# Altium PCB SPG300 Rev05.PcbDoc (part 1 of 8) (continued)
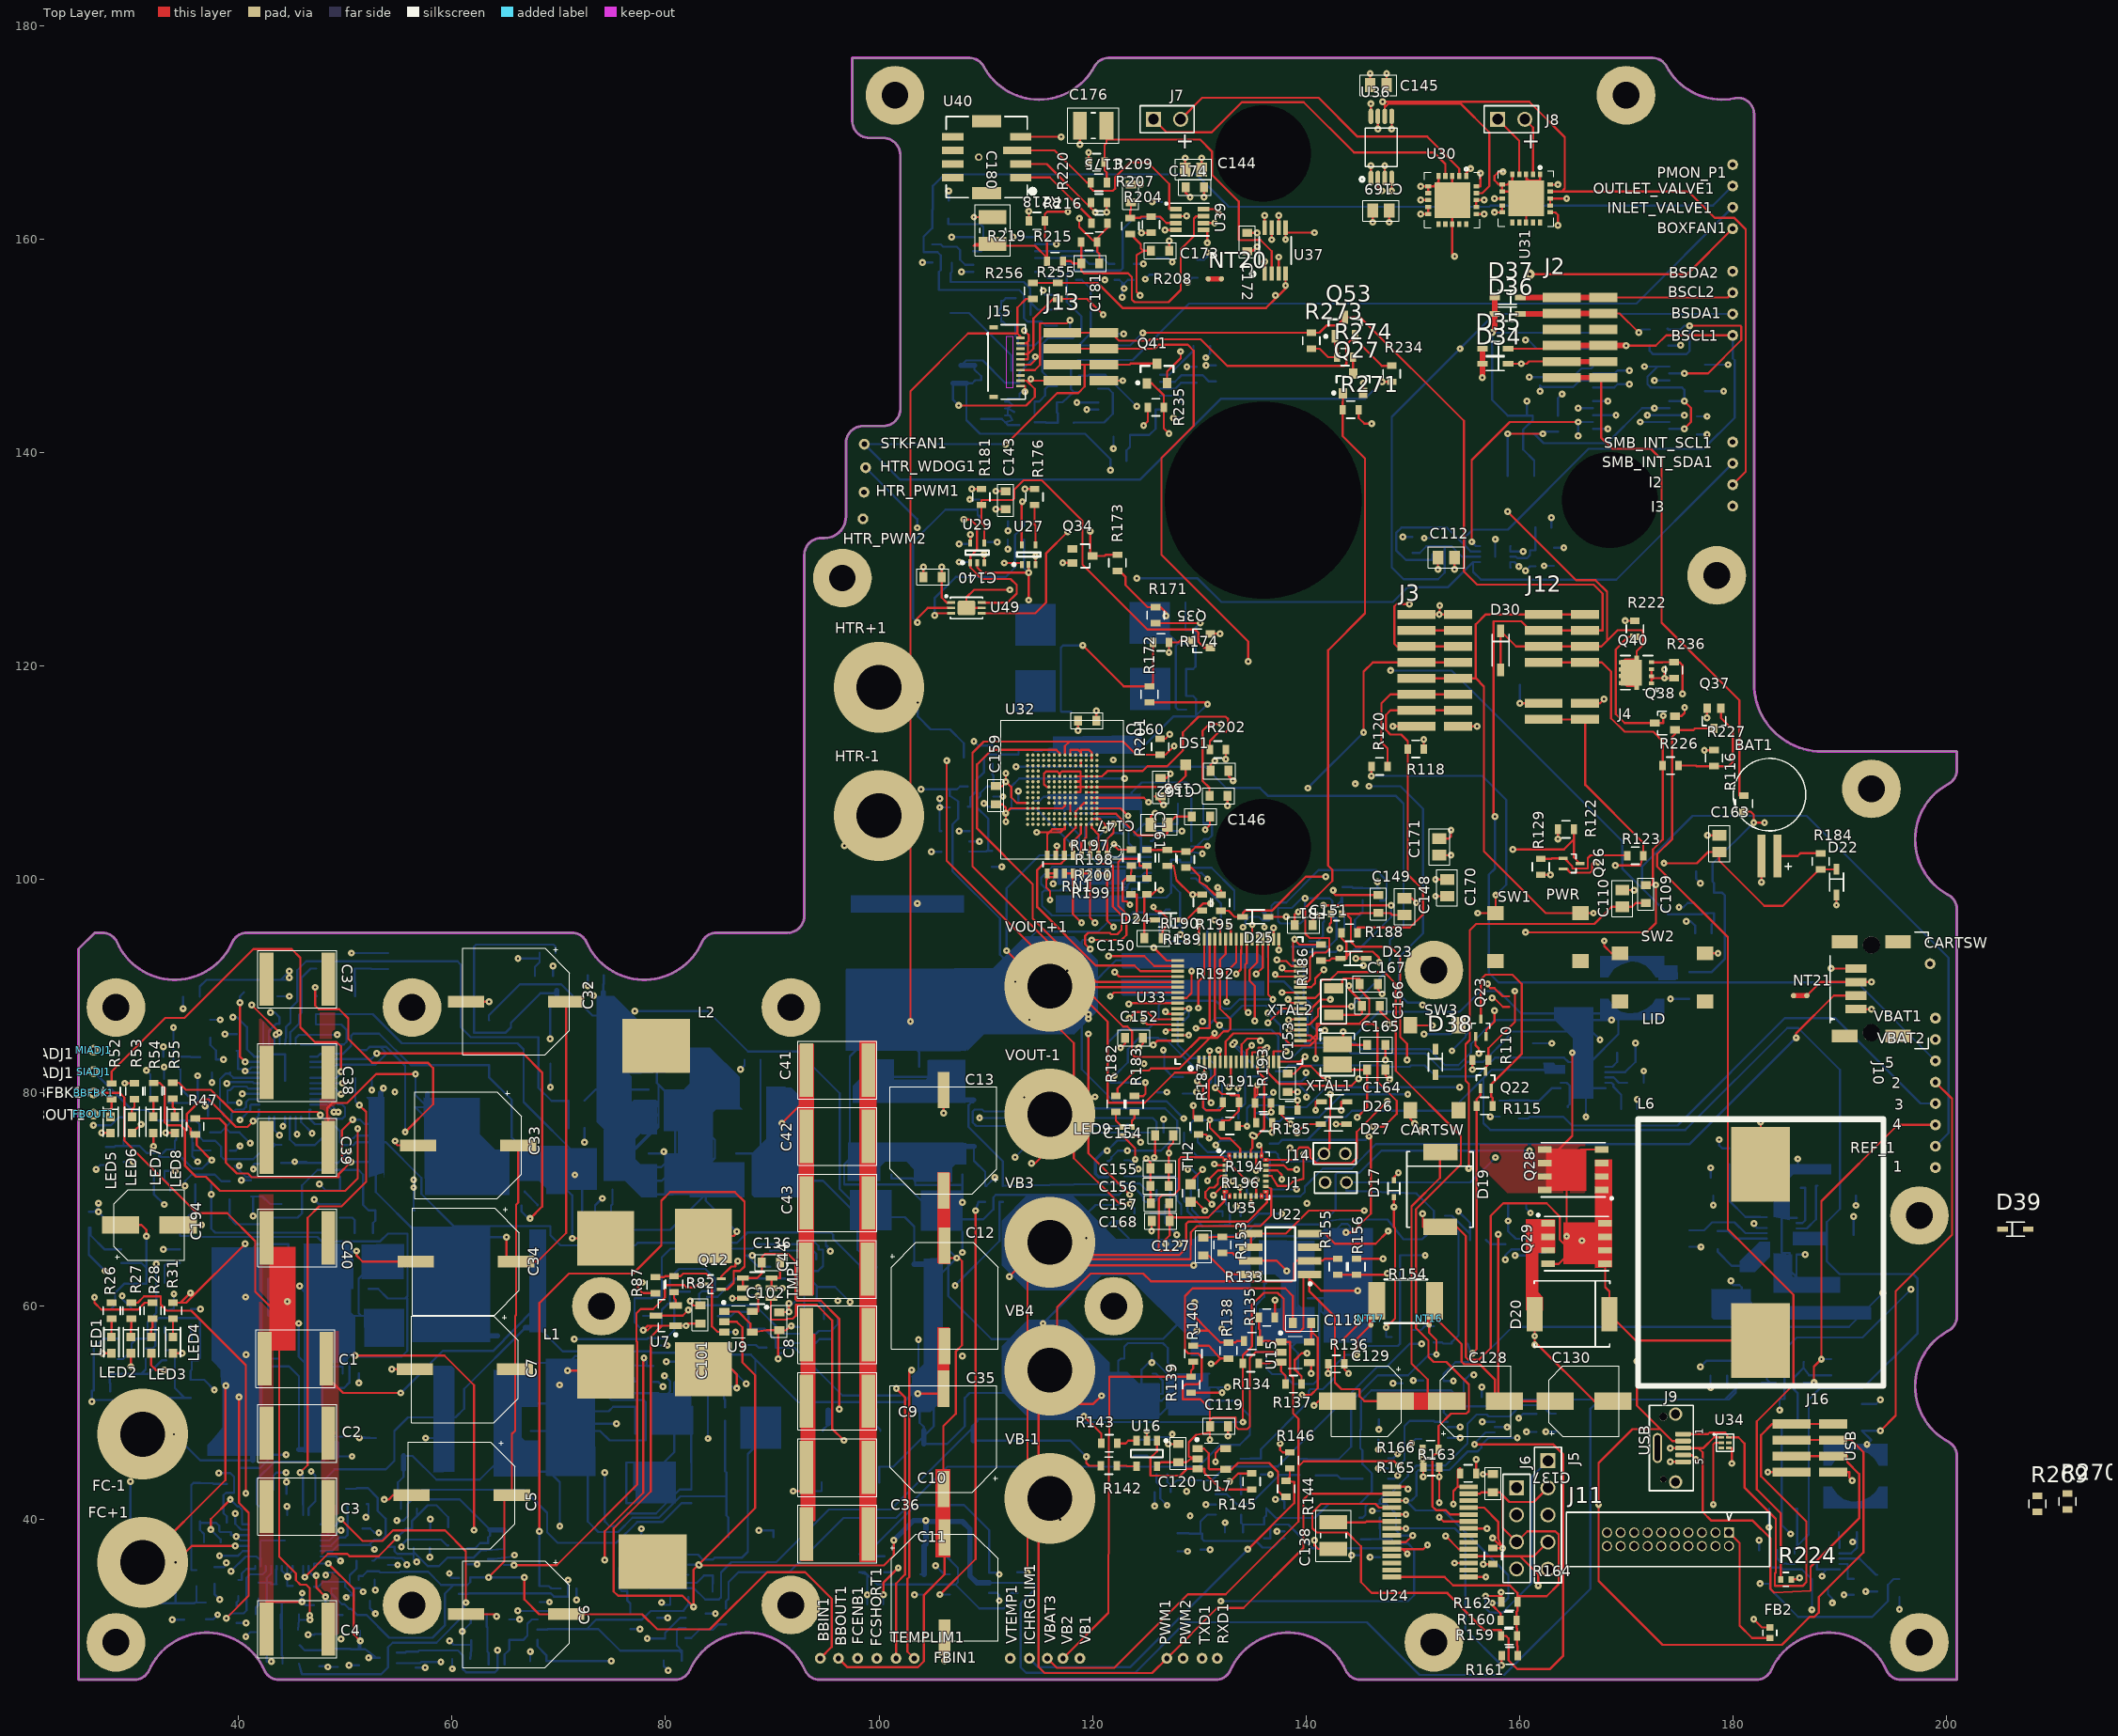
[diagram p0: Top Layer view]
## Components (designator, comment, footprint, x,y, rotation, side; value= is the part's Value field where it differs from the comment) (continued)
C41 "CAP SMD 2220" "CAPC 2220 (5750 Metric)" 96.1,82.138 r0 top value=10uF
C42 "CAP SMD 2220" "CAPC 2220 (5750 Metric)" 96.1,75.916 r0 top value=10uF
C43 "CAP SMD 2220" "CAPC 2220 (5750 Metric)" 96.1,69.694 r0 top value=10uF
C44 "CAP SMD 2220" "CAPC 2220 (5750 Metric)" 96.05,63.472 r0 top value=10uF
C45 "CAP SMD 0603 h=0.8mm" "CAPC 0603 (1608 Metric) H0.8L" 37.35,75.458 r270 bottom value=1nF
C46 "CAP SMD 0805 H=1.25mm" "CAPC 0805 (2012 Metric)_H1.25" 46.456,86.65 r0 bottom value=0.22uF
C47 "CAP SMD 0805 H=1.25mm" "CAPC 0805 (2012 Metric)_H1.25" 51.489,84.774 r90 bottom value=0.22uF
C48 "CAP SMD 0603 h=0.8mm" "CAPC 0603 (1608 Metric) H0.8L" 68.608,90.951 r0 bottom value=1nF
C49 "CAP SMD 0603 h=0.8mm" "CAPC 0603 (1608 Metric) H0.8L" 39.2,75.444 r90 bottom value=10pF
C50 "CAP SMD 0603 h=0.8mm" "CAPC 0603 (1608 Metric) H0.8L" 34.875,74.694 r0 bottom value=0.1uF
C51 "CAP SMD 0805 H=1.25mm" "CAPC 0805 (2012 Metric)_H1.25" 46.35,74.325 r270 bottom value=1uF
C52 "CAP SMD 0603 h=0.8mm" "CAPC 0603 (1608 Metric) H0.8L" 38.1,79.675 r0 bottom value=10pF
C53 "CAP SMD 0603 h=0.8mm" "CAPC 0603 (1608 Metric) H0.8L" 32.575,79.175 r180 bottom value=10pF
C54 "CAP SMD 0805 H=1.25mm" "CAPC 0805 (2012 Metric)_H1.25" 43.65,89.826 r270 bottom value=4.7uF
C55 "CAP SMD 0805 H=1.25mm" "CAPC 0805 (2012 Metric)_H1.25" 35.576,89 r180 bottom value=4.7uF
C56 "CAP SMD 0805 H=1.25mm" "CAPC 0805 (2012 Metric)_H1.25" 51.699,81.375 r0 bottom value=4.7uF
C57 "CAP SMD 0805 H=1.25mm" "CAPC 0805 (2012 Metric)_H1.25" 33.776,81.324 r180 bottom value=4.7uF
C58 "CAP SMD 0603 h=0.8mm" "CAPC 0603 (1608 Metric) H0.8L" 44.007,74.275 r270 bottom value=10nF
C59 "CAP SMD 0603 h=0.8mm" "CAPC 0603 (1608 Metric) H0.8L" 38.344,81.901 r180 bottom value=10nF
C60 "CAP SMD 0805 H=1.25mm" "CAPC 0805 (2012 Metric)_H1.25" 39.8,84.724 r90 bottom value=1uF
C61 "CAP SMD 0603 h=0.8mm" "CAPC 0603 (1608 Metric) H0.8L" 33.8,83.4 r180 bottom value=15nF
C62 "CAP SMD 0603 h=0.8mm" "CAPC 0603 (1608 Metric) H0.8L" 37.349,86 r90 bottom value=220pF
C63 "CAP SMD 0603 h=0.8mm" "CAPC 0603 (1608 Metric) H0.8L" 190.8,38.837 r0 bottom value=0.1uF
C64 "CAP SMD 0603 h=0.8mm" "CAPC 0603 (1608 Metric) H0.8L" 178.613,66.199 r270 bottom value=0.1uF
C65 "GCM32ER71H475KA55L" "CAPC 1210 (3225 Metric)_H2.5" 190.071,66.668 r0 bottom
C66 "CAP SMD 0603 h=0.8mm" "CAPC 0603 (1608 Metric) H0.8L" 178.801,72.048 r0 bottom value=10pF
C67 "CAP SMD 0603 h=0.8mm" "CAPC 0603 (1608 Metric) H0.8L" 186.401,71.95 r90 bottom value=10nF
C68 "GCM32ER71C226ME19K" "CAPC 1210 (3225 Metric)_H2.5" 185.05,60.625 r90 bottom value=22UF
C69 "CAP SMD 0603 h=0.8mm" "CAPC 0603 (1608 Metric) H0.8L" 195.626,33.575 r90 bottom value=10pF
C70 "GCM32ER71C226ME19K" "CAPC 1210 (3225 Metric)_H2.5" 188.736,60.7 r90 bottom value=22UF
C71 "GCM219R71C105KA37D" "CAPC 0805 (2012 Metric)_H0.85" 193.562,34.051 r270 bottom value=1UF
C72 "CAP SMD 0805 H=1.25mm" "CAPC 0805 (2012 Metric)_H1.25" 175.928,66.343 r270 bottom value=1uF
C73 "GCM32ER71H475KA55L" "CAPC 1210 (3225 Metric)_H2.5" 184.658,41.035 r180 bottom
C74 "GCM32ER71C226ME19K" "CAPC 1210 (3225 Metric)_H2.5" 192.1,49.588 r90 bottom value=22UF
C75 "CAP SMD 0603 h=0.8mm" "CAPC 0603 (1608 Metric) H0.8L" 183.325,37.147 r180 bottom value=DNI
C76 "CAP SMD 0603 h=0.8mm" "CAPC 0603 (1608 Metric) H0.8L" 170.035,83.739 r0 bottom value=0.1uF
C77 "CAP SMD 0603 h=0.8mm" "CAPC 0603 (1608 Metric) H0.8L" 159.975,78.449 r270 bottom value=10pF
C78 "GCM32ER71C226ME19K" "CAPC 1210 (3225 Metric)_H2.5" 175.928,90.056 r270 bottom value=22UF
C79 "CAP SMD 0805 H=1.25mm" "CAPC 0805 (2012 Metric)_H1.25" 177.341,100.75 r180 bottom value=1uF
C80 "CAP SMD 0805 H=1.25mm" "CAPC 0805 (2012 Metric)_H1.25" 177.251,94.975 r180 bottom value=1uF
C81 "GCM32ER71H475KA55L" "CAPC 1210 (3225 Metric)_H2.5" 161.3,83.399 r90 bottom
C82 "CAP SMD 0603 h=0.8mm" "CAPC 0603 (1608 Metric) H0.8L" 165.4,78.664 r0 bottom value=DNI
C83 "CAP SMD 0805 H=1.25mm" "CAPC 0805 (2012 Metric)_H1.25" 170.885,80.95 r0 bottom value=1uF
C84 "CAP SMD 0805 H=1.25mm" "CAPC 0805 (2012 Metric)_H1.25" 181.35,53.499 r90 bottom value=1uF
C85 "CAP SMD 0805 H=1.25mm" "CAPC 0805 (2012 Metric)_H1.25" 178.7,53.472 r180 bottom value=1uF
C86 "CAP SMD 0603 h=0.8mm" "CAPC 0603 (1608 Metric) H0.8L" 185.25,51.201 r180 bottom value=100pF
C87 "CAP SMD 0402 h=0.55mm" "CAPC 0402 (1005 Metric)_H0.55N" 123.375,104.25 r180 bottom value=0.1UF
C88 "CAP SMD 0402 h=0.55mm" "CAPC 0402 (1005 Metric)_H0.55N" 123.434,103.05 r0 bottom value=0.1UF
C89 "CAP SMD 0402 h=0.55mm" "CAPC 0402 (1005 Metric)_H0.55N" 145.324,98.625 r270 bottom value=33PF
C90 "CAP SMD 0402 h=0.55mm" "CAPC 0402 (1005 Metric)_H0.55N" 146.949,98.576 r270 bottom value=0.1UF
C91 "CAP SMD 0402 h=0.55mm" "CAPC 0402 (1005 Metric)_H0.55N" 136.823,96.874 r0 bottom value=1NF
C92 "EMK325B7106MNHTR" "CAPC 1210 (3225 Metric)_H1.9" 131.124,91.173 r90 bottom value=10UF
C93 "EMK325B7106MNHTR" "CAPC 1210 (3225 Metric)_H1.9" 124.043,91.173 r90 bottom value=10UF
C94 "EMK325B7106MNHTR" "CAPC 1210 (3225 Metric)_H1.9" 127.568,91.173 r90 bottom value=10UF
C95 "EMK325B7106MNHTR" "CAPC 1210 (3225 Metric)_H1.9" 134.773,91.073 r90 bottom value=10UF
C96 "GCM32ER71H475KA55L" "CAPC 1210 (3225 Metric)_H2.5" 118.022,98.927 r270 bottom
C97 "GCM32ER71H475KA55L" "CAPC 1210 (3225 Metric)_H2.5" 121.688,98.978 r270 bottom
C98 "CAP SMD 0402 h=0.55mm" "CAPC 0402 (1005 Metric)_H0.55N" 124.069,99.702 r270 bottom value=0.1UF
C99 "CAP SMD 0805 H=1.25mm" "CAPC 0805 (2012 Metric)_H1.25" 127.249,96.4 r270 bottom value=4.7uF
C100 "CAP SMD 0603 h=0.8mm" "CAPC 0603 (1608 Metric) H0.8L" 81.3,32.75 r180 bottom value=0.1UF
C101 "CAP SMD 0603 h=0.8mm" "CAPC 0603 (1608 Metric) H0.8L" 83.249,59.225 r90 top value=0.1uF
C102 "CAP SMD 0603 h=0.8mm" "CAPC 0603 (1608 Metric) H0.8L" 90.65,58.6 r90 top value=0.1uF
C103 "CAP SMD 0603 h=0.8mm" "CAPC 0603 (1608 Metric) H0.8L" 80.675,26.8 r180 bottom value=0.1UF
C104 "CAP SMD 0603 h=0.8mm" "CAPC 0603 (1608 Metric) H0.8L" 94.175,66.09 r0 bottom value=0.1UF
C105 "CAP SMD 0603 h=0.8mm" "CAPC 0603 (1608 Metric) H0.8L" 69.927,30.595 r90 bottom value=0.1UF
C106 "CAP SMD 0603 h=0.8mm" "CAPC 0603 (1608 Metric) H0.8L" 27.565,74.09 r270 bottom value=0.1UF
C107 "CAP SMD 0603 h=0.8mm" "CAPC 0603 (1608 Metric) H0.8L" 49.275,27.05 r270 bottom value=0.1UF
C108 "CAP SMD 0603 h=0.8mm" "CAPC 0603 (1608 Metric) H0.8L" 153.052,67.625 r90 bottom value=1UF
C109 "CAP SMD 0603 h=0.8mm" "CAPC 0603 (1608 Metric) H0.8L" 171.863,98.636 r90 top value=0.1uF
C110 "CAP SMD 0805 H=1.25mm" "CAPC 0805 (2012 Metric)_H1.25" 169.65,98.225 r90 top value=1uF
C111 "CAP SMD 0603 h=0.8mm" "CAPC 0603 (1608 Metric) H0.8L" 159.795,69.676 r0 bottom
C112 "CAP SMD 0805 H=1.25mm" "CAPC 0805 (2012 Metric)_H1.25" 153.155,130.175 r180 top value=1uF
C113 "CAP SMD 0603 h=0.8mm" "CAPC 0603 (1608 Metric) H0.8L" 163.251,130.249 r90 bottom value=0.1uF
C114 "GCM32ER71C226ME19K" "CAPC 1210 (3225 Metric)_H2.5" 160.15,137.825 r0 bottom value=22UF
C115 "CAP SMD 0603 h=0.8mm" "CAPC 0603 (1608 Metric) H0.8L" 161.274,142.625 r90 bottom value=0.1uF
C116 "GCM32ER71C226ME19K" "CAPC 1210 (3225 Metric)_H2.5" 177.399,147 r90 bottom value=22UF
C117 "CAP SMD 0603 h=0.8mm" "CAPC 0603 (1608 Metric) H0.8L" 176.676,142.55 r90 bottom value=0.1uF
C118 "CAP SMD 0603 h=0.8mm" "CAPC 0603 (1608 Metric) H0.8L" 139.64,58.436 r0 top value=0.1uF
C119 "CAP SMD 0603 h=0.8mm" "CAPC 0603 (1608 Metric) H0.8L" 131.861,48.75 r0 top value=0.1uF
C120 "CAP SMD 0603 h=0.8mm" "CAPC 0603 (1608 Metric) H0.8L" 128.05,46.225 r90 top value=0.1uF
C121 "CAP SMD 0603 h=0.8mm" "CAPC 0603 (1608 Metric) H0.8L" 133.274,38.79 r180 bottom value=0.1uF
C122 "CAP SMD 0603 h=0.8mm" "CAPC 0603 (1608 Metric) H0.8L" 146.006,49.373 r0 bottom value=0.1uF
C123 "CAP SMD 0603 h=0.8mm" "CAPC 0603 (1608 Metric) H0.8L" 146.95,37.325 r270 bottom value=0.1uF
C124 "CAP SMD 0603 h=0.8mm" "CAPC 0603 (1608 Metric) H0.8L" 127.999,37.886 r270 bottom value=0.1uF
C125 "CAP SMD 0603 h=0.8mm" "CAPC 0603 (1608 Metric) H0.8L" 137.151,41.049 r0 bottom value=0.1uF
C126 "CAP SMD 0603 h=0.8mm" "CAPC 0603 (1608 Metric) H0.8L" 145.95,47.494 r0 bottom value=0.1uF
C127 "CAP SMD 0603 h=0.8mm" "CAPC 0603 (1608 Metric) H0.8L" 130.402,65.6 r270 top value=10nF
C128 "CAP AE CASE D8" "CAPAE CASE D8" 155.9,51.099 r90 top value=100uF
C129 "CAP AE CASE D8" "CAPAE CASE D8" 145.679,51.099 r270 top value=100uF
C130 "CAP AE CASE D8" "CAPAE CASE D8" 166.07,51.099 r90 top value=100uF
C131 "CAP SMD 0603 h=0.8mm" "CAPC 0603 (1608 Metric) H0.8L" 155.65,51.501 r180 bottom value=0.1uF
C132 "CAP SMD 0603 h=0.8mm" "CAPC 0603 (1608 Metric) H0.8L" 161.599,49.075 r270 bottom value=100pF
C133 "CAP SMD 0603 h=0.8mm" "CAPC 0603 (1608 Metric) H0.8L" 163.424,49.09 r270 bottom value=100pF
C134 "CAP SMD 0603 h=0.8mm" "CAPC 0603 (1608 Metric) H0.8L" 150.799,48.41 r270 bottom value=100pF
C135 "CAP SMD 0603 h=0.8mm" "CAPC 0603 (1608 Metric) H0.8L" 151,52.199 r90 bottom value=100pF
C136 "CAP SMD 0603 h=0.8mm" "CAPC 0603 (1608 Metric) H0.8L" 89.875,64.1 r0 top value=0.1uF
C137 "CAP SMD 0603 h=0.8mm" "CAPC 0603 (1608 Metric) H0.8L" 157.531,43.409 r90 top value=0.1uF
C138 "CAP SMD 1210 H=1.9mm" "CAPC 1210 (3225 Metric)_H1.9" 142.574,38.501 r270 top value=10uF
C139 "CAP SMD 0603 h=0.8mm" "CAPC 0603 (1608 Metric) H0.8L" 106.624,107.6 r270 bottom value=0.1uF
C140 "CAP SMD 0603 h=0.8mm" "CAPC 0603 (1608 Metric) H0.8L" 105.025,128.351 r180 top value=0.1uF
C141 "CAP SMD 0603 h=0.8mm" "CAPC 0603 (1608 Metric) H0.8L" 110.642,111.701 r90 bottom value=1nF
C142 "CAP SMD 0603 h=0.8mm" "CAPC 0603 (1608 Metric) H0.8L" 108.424,130.601 r270 bottom value=0.1uF
C143 "CAP SMD 0603 h=0.8mm" "CAPC 0603 (1608 Metric) H0.8L" 111.875,135.55 r90 top value=0.1uF
C144 "CAP SMD 0805 H=1.25mm" "CAPC 0805 (2012 Metric)_H1.25" 129.466,166.524 r180 top value=1uF
C145 "CAP SMD 0805 H=1.25mm" "CAPC 0805 (2012 Metric)_H1.25" 146.799,174.45 r0 top value=1uF
C146 "CAP SMD 0603 h=0.8mm" "CAPC 0603 (1608 Metric) H0.8L" 130.166,105.901 r0 top value=0.1uF
C147 "CAP SMD 0805 H=1.25mm" "CAPC 0805 (2012 Metric)_H1.25" 126.251,105.123 r180 top value=1uF
C148 "CAP SMD 0805 H=1.25mm" "CAPC 0805 (2012 Metric)_H1.25" 149.239,97.45 r90 top value=1uF
C149 "CAP SMD 0603 h=0.8mm" "CAPC 0603 (1608 Metric) H0.8L" 146.8,97.7 r90 top value=0.1uF
C150 "CAP SMD 0603 h=0.8mm" "CAPC 0603 (1608 Metric) H0.8L" 125.725,94.5 r180 top value=0.1uF
C151 "CAP SMD 0603 h=0.8mm" "CAPC 0603 (1608 Metric) H0.8L" 139.8,95.72 r0 top value=0.1uF
C152 "CAP SMD 0603 h=0.8mm" "CAPC 0603 (1608 Metric) H0.8L" 123.9,85.149 r180 top value=0.1uF
C153 "CAP SMD 0603 h=0.8mm" "CAPC 0603 (1608 Metric) H0.8L" 138.301,80.939 r270 top value=0.1uF
C154 "CAP SMD 0603 h=0.8mm" "CAPC 0603 (1608 Metric) H0.8L" 126.723,76.001 r180 top value=0.1uF
C155 "CAP SMD 0603 h=0.8mm" "CAPC 0603 (1608 Metric) H0.8L" 126.297,72.926 r180 top value=0.1uF
C156 "CAP SMD 0603 h=0.8mm" "CAPC 0603 (1608 Metric) H0.8L" 126.297,71.275 r180 top value=0.1uF
C157 "CAP SMD 0603 h=0.8mm" "CAPC 0603 (1608 Metric) H0.8L" 126.345,69.645 r180 top value=0.1uF
C158 "CAP SMD 0603 h=0.8mm" "CAPC 0603 (1608 Metric) H0.8L" 131.917,110.189 r180 top value=0.1uF
C159 "CAP SMD 0603 h=0.8mm" "CAPC 0603 (1608 Metric) H0.8L" 110.96,107.89 r270 top value=0.1uF
C160 "CAP SMD 0603 h=0.8mm" "CAPC 0603 (1608 Metric) H0.8L" 119.51,114.884 r0 top value=0.1uF
C161 "CAP SMD 0603 h=0.8mm" "CAPC 0603 (1608 Metric) H0.8L" 126.386,108.65 r270 top value=0.1uF
C162 "CAP SMD 0603 h=0.8mm" "CAPC 0603 (1608 Metric) H0.8L" 131.815,107.841 r180 top value=0.1uF
C163 "CAP SMD 0805 H=1.25mm" "CAPC 0805 (2012 Metric)_H1.25" 178.749,103.349 r90 top value=1uF
C164 "CAP SMD 0603 h=0.8mm" "CAPC 0603 (1608 Metric) H0.8L" 146.6,82.19 r0 top value=12pF
C165 "CAP SMD 0603 h=0.8mm" "CAPC 0603 (1608 Metric) H0.8L" 146.599,84.5 r0 top value=12pF
C166 "CAP SMD 0603 h=0.8mm" "CAPC 0603 (1608 Metric) H0.8L" 146.1,88.151 r0 top value=22pF
C167 "CAP SMD 0603 h=0.8mm" "CAPC 0603 (1608 Metric) H0.8L" 145.9,90.201 r0 top value=22pF
C168 "CAP SMD 0603 h=0.8mm" "CAPC 0603 (1608 Metric) H0.8L" 126.4,67.984 r180 top value=0.1uF
C169 "CAP SMD 0805 H=1.25mm" "CAPC 0805 (2012 Metric)_H1.25" 147.05,162.699 r0 top value=1uF
C170 "CAP SMD 0805 H=1.25mm" "CAPC 0805 (2012 Metric)_H1.25" 153.25,99.211 r270 top value=2.2uF
C171 "CAP SMD 0805 H=1.25mm" "CAPC 0805 (2012 Metric)_H1.25" 152.5,103.047 r90 top value=2.2uF
C172 "CAP SMD 0603 h=0.8mm" "CAPC 0603 (1608 Metric) H0.8L" 134.501,159.751 r270 top value=0.1uF
C173 "CAP SMD 0603 h=0.8mm" "CAPC 0603 (1608 Metric) H0.8L" 126.351,158.925 r0 top value=0.1uF
C174 "CAP SMD 0603 h=0.8mm" "CAPC 0603 (1608 Metric) H0.8L" 129.6,164.878 r180 top value=0.1uF
C175 "CAP SMD 0603 h=0.8mm" "CAPC 0603 (1608 Metric) H0.8L" 123.603,164.3 r90 top value=0.1uF
C176 "CAP SMD 1210 H=1.9mm" "CAPC 1210 (3225 Metric)_H1.9" 120.075,170.65 r180 top value=10uF
C177 "CAP SMD 0805 H=1.25mm" "CAPC 0805 (2012 Metric)_H1.25" 116.499,155.578 r270 bottom value=1uF
C178 "CAP SMD 0805 H=1.25mm" "CAPC 0805 (2012 Metric)_H1.25" 126.05,157.452 r270 bottom value=1uF
C179 "CAP SMD 0603 h=0.8mm" "CAPC 0603 (1608 Metric) H0.8L" 104.994,158.676 r270 bottom value=100pF
C180 "CAP SMD 1210 H=1.9mm" "CAPC 1210 (3225 Metric)_H1.9" 110.65,160.826 r90 top value=10uF
C181 "CAP SMD 0603 h=0.8mm" "CAPC 0603 (1608 Metric) H0.8L" 119.801,157.751 r0 top value=10nF
C182 "CAP SMD 0805 H=1.25mm" "CAPC 0805 (2012 Metric)_H1.25" 122.746,141.501 r180 bottom value=1uF
C183 "CAP SMD 0805 H=1.25mm" "CAPC 0805 (2012 Metric)_H1.25" 130.25,150.014 r0 bottom value=1uF
C184 "CAP SMD 0603 h=0.8mm" "CAPC 0603 (1608 Metric) H0.8L" 129.85,157.252 r270 bottom value=100pF
C185 "CAP SMD 0603 h=0.8mm" "CAPC 0603 (1608 Metric) H0.8L" 105.22,37.773 r0 bottom value=0.1uF
C186 "CAP SMD 0603 h=0.8mm" "CAPC 0603 (1608 Metric) H0.8L" 98.173,35.925 r270 bottom value=1nF
C187 "GC32ER70J476KE01L" "CAPC 1210 (3225 Metric)_H2.8" 133.326,74.274 r90 bottom value=47UF
C188 "CAP SMD 0805 H=1.25mm" "CAPC 0805 (2012 Metric)_H1.25" 128.48,80.71 r90 bottom value=1uF
C189 "CAP SMD 0603 h=0.8mm" "CAPC 0603 (1608 Metric) H0.8L" 133.052,68.448 r0 bottom value=0.1uF
C190 "CAP SMD 0603 h=0.8mm" "CAPC 0603 (1608 Metric) H0.8L" 32.2,62.2 r0 bottom value=10nF
C191 "CAP SMD 0603 h=0.8mm" "CAPC 0603 (1608 Metric) H0.8L" 35.493,52.25 r270 bottom value=0.1uF
C192 "CAP SMD 0603 h=0.8mm" "CAPC 0603 (1608 Metric) H0.8L" 51.724,66.876 r180 bottom value=10nF
C193 "CAP SMD 0603 h=0.8mm" "CAPC 0603 (1608 Metric) H0.8L" 27.1,52 r180 bottom value=1nF
C194 "CAP AE CASE D8" "CAPAE CASE D8" 31.624,67.625 r90 top value=100uF
C195 "CAP SMD 0603 h=0.8mm" "CAPC 0603 (1608 Metric) H0.8L" 39.15,70.863 r90 bottom value=2.2UF
CARTSW "Test Point" "Test Point 1mm"#7 198.5,92.1 r90 top
CLK1 "Test Point" "SMT 1Sq 1.0mm Pad" 40.501,89.425 r90 bottom
D1 "Diode-SMB" DO214AD-SMB 52.858,49.763 r270 bottom value=SS34
D2 "Diode-SMB" DO214AD-SMB 72.202,40.937 r180 bottom value=SS34
D3 "Diode-SMB" DO214AD-SMB 87.807,42.26 r180 bottom value=SS34
D4 "Diode-SMB" DO214AD-SMB 87.998,38.359 r0 bottom value=SS34
D5 "Diode" SOD-123N 38.876,41.55 r90 bottom value=FSV360
D6 "Diode" SOD-123N 36.376,41.622 r90 bottom value=FSV360
D7 "Diode-SMB" DO214AD-SMB 81.302,82.9 r180 bottom value=SS34
D8 "Diode-SMB" DO214AD-SMB 63.475,78.275 r0 bottom value=SS34
D9 "Diode-SMB" DO214AD-SMB 63.45,84.698 r90 bottom value=SS34
D10 "Diode-SMB" DO214AD-SMB 88.252,79.5 r180 bottom value=SS34
D11 "Diode" SOD-123N 49.1,89.074 r0 bottom value=FSV360
D12 "Diode" SOD-123N 49.074,91.649 r0 bottom value=FSV360
D13 "Diode Dual CC" SOT-323 83.9,54.81 r180 bottom value=BAT54C
D14 "Diode Dual CC" SOT-323 95.5,57.876 r270 bottom value=BAT54C
D15 "Zener" SOD-323 138.051,53.635 r180 bottom value=Vz=15V
D16 "Diode Dual CC" SOT-323 149.001,57.121 r180 bottom value=BAT54C
D17 "Diode" SOD-523L 148.249,71 r90 top value=BAT54
D18 "Zener" SOD-323 123,54.134 r90 bottom value=Vz=15V
D19 "Diode" DO214AB-SMC 152.595,70.945 r270 top value=B540C
D20 "Diode" DO214AB-SMC 164.948,59.26 r180 top value=B540C
D21 "Diode" DO214AC-SMA 107.95,113.126 r270 bottom value=RB168L-40TE25
D22 "Diode" SOD-323 189.725,99.75 r270 top value=BAT54WS
D23 "Zener" SOD-323 144.449,92.6 r0 top value=uClamp3301D
D24 "Zener" SOD-323 127.051,96.2 r180 top value=uClamp3301D
D25 "Zener" SOD-323 135.273,96.5 r0 top value=uClamp3301D
D26 "Zener" SOD-323 142.675,79.174 r0 top value=uClamp3301D
D27 "Zener" SOD-323 142.6,77.072 r0 top value=uClamp3301D
D28 "Diode" SOD-123-H1.45L 114.877,150.059 r180 bottom value=MBR130SCT
D29 "Diode" SOD-123-H1.45L 109.573,145.001 r270 bottom value=MBR130T3G
D30 "Diode" SOD-123-H1.45L 158.25,121.5 r270 top value=MBR130T3G
D31 "Diode" DO214AB-SMC 98.976,94.2 r90 bottom value=B540C
D32 "Diode" SOD-123-H1.45L 29,59.699 r0 bottom value=FSV360
D33 "Diode" SOD-123-H1.45L 54.6,68.975 r0 bottom value=FSV360
D34 "Zener" SOD-323 157.752,148.336 r180 top value=uClamp3301D
D35 "Zener" SOD-323 157.752,149.75 r180 top value=uClamp3301D
D36 "Zener" SOD-323 158.9,153 r180 top value=uClamp3301D
D37 "Zener" SOD-323 158.902,154.55 r180 top value=uClamp3301D
D38 "Zener" SOD-323 152.148,82.9 r270 top value=uClamp3301D
D39 "Zener" SOD-323 206.5,67.225 r0 top value=uClamp3301D
DS1 "Test Point" "SMT 1Sq 1.0mm Pad" 128.751,110.747 r0 top
FB1 "Ferrite" "FB 0402 (1005 Metric)_L" 142.867,96.788 r0 top value=BK1005HS102-T
FB2 "Ferrite" "FB 0402 (1005 Metric)_L" 183.475,29.4 r270 top value=BK1005HS102-T
FBIN1 "Test Point" "Test Point 1mm"#7 103.3,27 r90 top
FBOUT1 "Test Point" "Test Point 1mm"#13 46.699,93.6 r90 top
FC+1 "Power Connector" 7466003 31,36 r0 top
FC-1 "Power Connector" 7466003 31,48 r0 top
FCENB1 "Test Point" "Test Point 1mm"#7 98,27 r90 top
FCSHORT1 "Test Point" "Test Point 1mm"#7 99.8,27 r90 top
HTR+1 "Power Connector" 7466003 100,118 r0 top
HTR-1 "Power Connector" 7466003 100,106 r0 top
HTR_PWM1 "Test Point" "Test Point 1mm"#7 98.6,136.3 r90 top
HTR_PWM2 "Test Point" "Test Point 1mm"#7 98.5,133.8 r90 top
HTR_WDOG1 "Test Point" "Test Point 1mm"#7 98.749,138.6 r90 top
I1 "INDUCTOR" IND-MDWK4040 179.924,62.376 r270 bottom value=4.7UH
I2 "Test Point" "Test Point 1mm"#7 180,137 r90 top
I3 "Test Point" "Test Point 1mm"#14 180.199,135.1 r90 top
ICHRGLIM1 "Test Point" "Test Point 1mm"#7 114.1,27 r90 top
INLET_VALVE1 "Test Point" "Test Point 1mm"#15 180,164.6 r90 top
J1 "CONN 2x1 Pos" "CONN HDR 2Pos 2mm TH" 141.801,71.6 r180 top
J2 "Molex 0874370643" "Molex 0874370643" 165.702,150.8 r270 top value=0874370643
J3 "Molex 0874370843" "Molex 0874370843" 152.1,119.6 r270 top value=0874370643
J4 "Molex 0874370273" "Molex 0874370273" 164,115.751 r270 top
J5 "CONN 5X1" "CONN Hdr 5Pos 2.54mm" 162.687,40.437 r90 top
J6 "CONN 4x1 Pos" "CONN Hdr 4Pos 2.54mm VERT TH" 159.751,39.181 r270 top
J7 "CONN 2x1 Pos" "TERM BLK 2 Pos 2.54mm" 127,171.25 r0 top
J8 "CONN 2x1 Pos" "TERM BLK 2 Pos 2.54mm" 159.251,171.25 r0 top
J9 "GCT3160 - USB Micro Vert" "CONN USB Micro B Vert - GCT3160" 174.001,46.713 r90 top value=USB3160
J10 "CONN 4x1 Pos" "CONN Rect 4Pos 1.27mm Verticle Entry SMT" 193,89.75 r270 top value=284697
J11 "3221-20-0100" 3221-20-0100 173.939,38.15 r0 top
J12 "Molex 0874370443" "Molex 0874370443" 164,122.6 r270 top value=0874370443
J13 "Molex 0874370443" "Molex 0874370443" 118.9,149 r270 top value=0874370443
J14 "CONN 2x1 Pos" "CONN HDR 2Pos 2mm TH" 141.701,74.3 r180 top
J15 "CONN  10x1 Pos" "CONN FPC 10 Pos 0.5mm T+B RA SMD" 112,148.5 r270 top value=XF2M-1015-1A
J16 "Molex 0874370443" "Molex 0874370443" 187.249,46.713 r270 top value=0874370443
L1 "IND-7443641500" IND-WE-7443641500 79.319,44.863 r180 top value=15UH
L2 "IND-7443641500" IND-WE-7443641500 78.6,75.595 r0 top value=15UH
L3 "INF-MSS6132" IND-MSS6132 191.5,44.081 r0 bottom value=22uH
L4 "INF-MSS6132" IND-MSS6132 170.575,89.825 r0 bottom value=22uH
L5 "IND-XEL4030" IND-XEL4030 129.2,107.076 r270 bottom value=6.8UH
L6 "IND-74435584700" WE-2212 182.626,65.04 r180 top value=47uH
LED1 "LED Single" LED0603 28.075,56.35 r180 top value=RED
LED2 "LED Single" LED0603 29.9,56.35 r180 top value=RED
LED3 "LED Single" LED0603 31.8,56.35 r180 top value=RED
LED4 "LED Single" LED0603 33.846,56.35 r180 top value=RED
LED5 "LED Single" LED0603 28,77 r180 top value=RED
LED6 "LED Single" LED0603 30,77 r180 top value=RED
LED7 "LED Single" LED0603 32,77 r180 top value=RED
LED8 "LED Single" LED0603 34,77 r180 top value=RED
LED9 "LED_Dual" SML-P24 123.25,76.401 r0 top value=SML-P24MUWT86
MIADJ1 "Test Point" "Test Point 1mm"#7 26.4,84 r90 top
NT1 ".2032mm" NET_TIE_0.5mm 55.451,44.975 r90 bottom net-tie
NT2 ".2032mm" NET_TIE_0.5mm 95.24,50 r270 bottom net-tie
NT3 ".2032mm" NET_TIE_0.5mm 99.599,50.075 r270 bottom net-tie
NT4 ".2032mm" NET_TIE_0.5mm 64.014,57.215 r180 bottom net-tie
NT5 ".2032mm" NET_TIE_0.5mm 67.88,58 r180 bottom net-tie
NT6 ".2032mm" NET_TIE_0.5mm 49.174,46.925 r270 bottom net-tie
NT7 ".2032mm" NET_TIE_0.5mm 98.615,63.664 r0 bottom net-tie
NT8 ".2032mm" NET_TIE_0.5mm 103.551,63.937 r0 bottom net-tie
NT9 ".2032mm" NET_TIE_0.5mm 53.308,79.752 r270 bottom net-tie
NT10 ".2032mm" NET_TIE_0.5mm 57.697,79.651 r270 bottom net-tie
NT11 ".2032mm" NET_TIE_0.5mm 74.158,88.425 r90 bottom net-tie
NT12 ".2032mm" NET_TIE_0.5mm 69.799,89.35 r270 bottom net-tie
NT13 ".2032mm" NET_TIE_0.5mm 63.8,39.049 r0 bottom net-tie
NT14 ".2032mm" NET_TIE_0.5mm 104.2,47.35 r90 bottom net-tie
NT15 ".2032mm" NET_TIE_0.5mm 108.825,47.652 r90 bottom net-tie
NT16 ".2032mm" NET_TIE_0.5mm 151.551,59.25 r270 top net-tie
NT17 ".2032mm" NET_TIE_0.5mm 146.101,59.25 r270 top net-tie
NT18 ".2032mm" NET_TIE_0.5mm 116.175,107.749 r0 bottom net-tie
NT19 ".2032mm" NET_TIE_0.5mm 116.25,112.123 r0 bottom net-tie
NT20 ".2032mm" NET_TIE_0.5mm 131.1,156.3 r0 top net-tie
NT21 ".2032mm" NET_TIE_0.5mm 186.7,89.115 r180 top net-tie
NT22 ".2032mm" NET_TIE_0.5mm 107.95,148.177 r0 bottom net-tie
NT23 ".2032mm" NET_TIE_0.5mm 107.2,146.519 r0 bottom net-tie
NT24 ".2032mm" NET_TIE_0.5mm 108.649,74.992 r180 bottom net-tie
NT25 ".2032mm" NET_TIE_0.5mm 108.607,79.35 r180 bottom net-tie
NT26 ".2032mm" NET_TIE_0.5mm 41.326,45.799 r90 bottom net-tie
NT27 ".2032mm" NET_TIE_0.5mm 45.894,46.574 r0 bottom net-tie
OUTLET_VALVE1 "Test Point" "Test Point 1mm"#16 180,169 r90 top
PMON_P1 "Test Point" "Test Point 1mm"#17 180,167.3 r90 top
PWM1 "Test Point" "Test Point 1mm"#7 126.973,27 r90 top
PWM2 "Test Point" "Test Point 1mm"#7 128.5,27 r90 top
Q1 "8 Lead N-Ch Mosfet" Power56_L 70.051,46.408 r0 bottom value=5H400N
Q2 "8 Lead N-Ch Mosfet" Power56_L 79.749,43.449 r180 bottom value=5H400N
Q3 "8 Lead N-Ch Mosfet" Power56_L 79.84,49.949 r0 bottom value=5H400N
Q4 "8 Lead N-Ch Mosfet" Power56_L 69.974,52.793 r0 bottom value=5H400N
Q5 "8 Lead N-Ch Mosfet" Power56_L 88.248,48.638 r0 bottom value=5H400N
Q6 "8 Lead N-Ch Mosfet" Power56_L 81.059,78.4 r0 bottom value=5H400N
Q7 "8 Lead N-Ch Mosfet" Power56_L 64.151,72.684 r180 bottom value=5H400N
Q8 "8 Lead N-Ch Mosfet" Power56_L 72.351,72.83 r180 bottom value=5H400N
Q9 "8 Lead N-Ch Mosfet" Power56_L 81.109,72.4 r0 bottom value=5H400N
Q10 "8 Lead N-Ch Mosfet" Power56_L 89.299,72.4 r0 bottom value=5H400N
Q11 "3 Lead N-Ch Mosfet" SOT-523 139.5,93.7 r180 bottom value=2N7002T
Q12 "PNP" SOT-523 84.419,62.075 r180 top
Q13 "NPN" SOT-523 83.09,61.375 r180 bottom value=2N3904
Q14 "NPN" SOT-523 90.276,56.125 r180 bottom value=2N3904
Q15 "3 Lead N-Ch Mosfet" SOT-523 32.545,73.209 r90 bottom value=2N7002T
Q16 "3 Lead N-Ch Mosfet" SOT-523 54.001,27.05 r180 bottom value=2N7002T
Q17 "8 Lead P-Ch Mosfet" Power56_L 133.6,64.039 r180 bottom value=FDWS9509
Q18 "8 Lead P-Ch Mosfet" Power56_L 142.874,58.846 r0 bottom value=FDWS9509
Q19 "8 Lead P-Ch Mosfet" Power56_L 133.626,57.579 r180 bottom value=FDWS9509
Q20 "8 Lead P-Ch Mosfet" Power56_L 142.926,65.107 r0 bottom value=FDWS9509
Q21 "3 Lead N-Ch Mosfet" SOT-523 159.501,65.819 r180 bottom value=2N7002T
Q22 "3 Lead N-Ch Mosfet" SOT-523 156.86,81.224 r90 top value=2N7002T
Q23 "3 Lead N-Ch Mosfet" SOT-523 156.4,86.099 r90 top value=2N7002T
Q24 "8 Lead P-Ch Mosfet" Power56_L 128.299,51.775 r0 bottom value=FDWS9509
Q25 "3 Lead N-Ch Mosfet" SOT-523 126.521,45.024 r90 bottom value=2N7002T
Q26 "3 Lead N-Ch Mosfet" SOT-523 164.899,101.489 r0 top value=2N7002T
Q27 "IRLML2502" SOT23-3 144.425,146.5 r90 top
Q28 "8 Lead N-Ch Mosfet" Power56_L 165.061,72.79 r180 top value=5H400N
Q29 "8 Lead N-Ch Mosfet" Power56_L 165.375,65.875 r0 top value=5H400N
Q30 "8 Lead P-Ch Mosfet" Power56_L 126.05,124.024 r180 bottom value=FDWS9509L
Q31 "8 Lead P-Ch Mosfet" Power56_L 115.327,117.625 r180 bottom value=FDWS9509L
Q32 "8 Lead P-Ch Mosfet" Power56_L 126.104,117.829 r180 bottom value=FDWS9509L
Q33 "8 Lead P-Ch Mosfet" Power56_L 115.326,123.835 r180 bottom value=FDWS9509L
Q34 "3 Lead N-Ch Mosfet" SOT-323 119.074,130.325 r0 top value=DMN5L06WK
Q35 "3 Lead N-Ch Mosfet" SOT-323 130.1,122.375 r180 top value=DMN5L06WK
Q36 "8 Lead N-Ch Mosfet" DFN3x3-8EP_N 112.802,153.25 r180 bottom value=FDMC7660
Q37 "3 Lead N-Ch Mosfet" SOT-323 178.25,115.1 r270 top value=2N7002T
Q38 "3 Lead N-Ch Mosfet" SOT-323 173.64,114.662 r180 top value=2N7002T
Q39 "8 Lead N-Ch Mosfet" DFN3x3-8EP_N 113.178,143.825 r180 bottom value=FDMC7660
Q40 "8 Lead N-Ch Mosfet" DFN3x3-8EP_N 171,119.38 r180 top value=FDMC7660
Q41 "IRLML2502" SOT23-3 126.05,147.45 r90 top
Q42 "8 Lead P-Ch Mosfet" Power56_L 99.175,85.173 r90 bottom value=FDWS9509
Q43 "8 Lead P-Ch Mosfet" Power56_L 105.91,69.657 r270 bottom value=FDWS9509
Q44 "8 Lead P-Ch Mosfet" Power56_L 105.676,85.134 r90 bottom value=FDWS9509
Q45 "8 Lead P-Ch Mosfet" Power56_L 99.25,69.676 r270 bottom value=FDWS9509
Q46 "3 Lead N-Ch Mosfet" SOT-523 136.401,81.531 r180 bottom value=2N7002T
Q47 "8 Lead N-Ch Mosfet" Power56_L 49.526,63.541 r180 bottom value=5C404N
Q48 "8 Lead N-Ch Mosfet" Power56_L 57.546,64.906 r0 bottom value=5C404N
Q49 "8 Lead N-Ch Mosfet" Power56_L 49.707,57.19 r180 bottom value=5C404N
Q50 "8 Lead N-Ch Mosfet" Power56_L 57.524,58.824 r0 bottom value=5C404N
Q51 "8 Lead N-Ch Mosfet" Power56_L 41.014,57.001 r180 bottom value=STL90N6F7
Q52 "8 Lead N-Ch Mosfet" Power56_L 41.036,63.187 r180 bottom value=STL90N6F7
Q53 "FDN340P" SOT-23-TT3_L 143.675,151.8 r90 top value=FDV304P
R1 "RES SMD 2512" "SMD 2512 (6332 Metric)" 65.409,65.408 r0 bottom value=.006
R2 "RES SMD 2512" "SMD 2512 (6332 Metric)" 97.324,43.473 r0 bottom value=.008
R3 "RES SMD 2512" "SMD 2512 (6332 Metric)" 65.421,59.363 r0 bottom value=.006
R4 "RES SMD 2512" "SMD 2512 (6332 Metric)" 97.424,48.307 r0 bottom value=.008
R5 "RES SMD 0603" "SMD 0603 (1608 Metric)" 50.499,53.699 r0 bottom value=2.2
R6 "RES SMD 0603" "SMD 0603 (1608 Metric)" 78.865,53.649 r270 bottom value=2.2
R7 "RES SMD 0603" "SMD 0603 (1608 Metric)" 77.2,53.701 r270 bottom value=2.2
R8 "RES SMD 0603" "SMD 0603 (1608 Metric)" 84.724,52.075 r0 bottom value=2.2
R9 "RES SMD 2512" "SMD 2512 (6332 Metric)" 62.056,45.914 r0 bottom value=.007
R10 "RES SMD 2512" "SMD 2512 (6332 Metric)" 61.953,52.242 r0 bottom value=.007
R11 "RES SMD 0603" "SMD 0603 (1608 Metric)" 56.374,42.788 r0 bottom value=2.2
R12 "RES SMD 0603" "SMD 0603 (1608 Metric)" 55.95,41.023 r0 bottom value=10
R13 "RES SMD 0603" "SMD 0603 (1608 Metric)" 62.351,33.85 r90 bottom value=90.9K
R14 "RES SMD 0603" "SMD 0603 (1608 Metric)" 49.749,30.324 r270 bottom value=10
R15 "RES SMD 0603" "SMD 0603 (1608 Metric)" 60.64,33.799 r270 bottom value=10K
R16 "RES SMD 0603" "SMD 0603 (1608 Metric)" 51.99,34.375 r180 bottom value=8.66K
R17 "RES SMD 0603" "SMD 0603 (1608 Metric)" 57.15,37.374 r0 bottom value=267K
R18 "RES SMD 0603" "SMD 0603 (1608 Metric)" 36.05,34.525 r90 bottom value=4.7
R19 "RES SMD 0603" "SMD 0603 (1608 Metric)" 49.224,34.299 r270 bottom value=2.2
R20 "RES SMD 0603" "SMD 0603 (1608 Metric)" 52.023,42.2 r270 bottom value=4.99K
R21 "RES SMD 0603" "SMD 0603 (1608 Metric)" 47.57,26.999 r90 bottom value=1K
R22 "RES SMD 0603" "SMD 0603 (1608 Metric)" 50.076,42.137 r90 bottom value=100K
R23 "RES SMD 0603" "SMD 0603 (1608 Metric)" 45.05,33.049 r90 bottom value="10K 0.1%"
R24 "RES SMD 0603" "SMD 0603 (1608 Metric)" 44.8,29.676 r180 bottom value=3.48K
R25 "RES SMD 0603" "SMD 0603 (1608 Metric)" 39.96,33.6 r90 bottom value=365K
R26 "RES SMD 0603" "SMD 0603 (1608 Metric)" 28.099,59.575 r90 top value=1K
R27 "RES SMD 0603" "SMD 0603 (1608 Metric)" 29.949,59.575 r90 top value=1K
R28 "RES SMD 0603" "SMD 0603 (1608 Metric)" 31.924,59.575 r90 top value=1K
R29 "RES SMD 0603" "SMD 0603 (1608 Metric)" 41.851,33.35 r90 bottom value=14.3K
R30 "RES SMD 0603" "SMD 0603 (1608 Metric)" 39.8,31.074 r90 bottom value=0
R31 "RES SMD 0603" "SMD 0603 (1608 Metric)" 33.849,59.575 r90 top value=1K
R32 "RES SMD 0603" "SMD 0603 (1608 Metric)" 51.791,36.143 r180 bottom value=27K
R33 "RES SMD 0603" "SMD 0603 (1608 Metric)" 51.548,32.401 r180 bottom value=20K
R34 "RES SMD 2512" "SMD 2512 (6332 Metric)" 55.536,77.847 r0 bottom value=.006
R35 "RES SMD 2512" "SMD 2512 (6332 Metric)" 102.425,57.749 r0 bottom value=.008
R36 "RES SMD 2512" "SMD 2512 (6332 Metric)" 102.35,62.15 r0 bottom value=.008
R37 "RES SMD 0603" "SMD 0603 (1608 Metric)" 71.65,79.268 r0 bottom value=2.2
R38 "RES SMD 0603" "SMD 0603 (1608 Metric)" 71.65,76.699 r0 bottom value=2.2
R39 "RES SMD 2512" "SMD 2512 (6332 Metric)" 55.55,73.319 r0 bottom value=.006
R40 "RES SMD 0603" "SMD 0603 (1608 Metric)" 88.15,83.1 r0 bottom value=2.2
R41 "RES SMD 0603" "SMD 0603 (1608 Metric)" 67.25,69.449 r0 bottom value=2.2
R42 "RES SMD 0603" "SMD 0603 (1608 Metric)" 74.15,68.099 r0 bottom value=2.2
R43 "RES SMD 2512" "SMD 2512 (6332 Metric)" 71.908,82.724 r0 bottom value=.007
R44 "RES SMD 2512" "SMD 2512 (6332 Metric)" 71.9,87.261 r0 bottom value=.007
R45 "RES SMD 0603" "SMD 0603 (1608 Metric)" 73.45,91.001 r180 bottom value=10
R46 "RES SMD 0603" "SMD 0603 (1608 Metric)" 68.951,93.125 r180 bottom value=10
R47 "RES SMD 0603" "SMD 0603 (1608 Metric)" 35.924,76.85 r90 top value=8.66K
R48 "RES SMD 0603" "SMD 0603 (1608 Metric)" 53.999,92.35 r270 bottom value=4.7
R49 "RES SMD 0603" "SMD 0603 (1608 Metric)" 49.507,75.891 r0 bottom value=2.2
R50 "RES SMD 0603" "SMD 0603 (1608 Metric)" 34.893,76.446 r180 bottom value=1K
R51 "RES SMD 0603" "SMD 0603 (1608 Metric)" 35.3,78.925 r90 bottom value=100K
R52 "RES SMD 0603" "SMD 0603 (1608 Metric)" 28.099,80.124 r90 top value=1K
R53 "RES SMD 0603" "SMD 0603 (1608 Metric)" 30.224,80.15 r90 top value=1K
R54 "RES SMD 0603" "SMD 0603 (1608 Metric)" 32.024,80.174 r90 top value=1K
R55 "RES SMD 0603" "SMD 0603 (1608 Metric)" 33.827,80.199 r90 top value=1K
R56 "RES SMD 0603" "SMD 0603 (1608 Metric)" 37.117,83.339 r0 bottom value=14.3K
R57 "RES SMD 0603" "SMD 0603 (1608 Metric)" 43.055,86.62 r180 bottom value=365K
R58 "RES SMD 0603" "SMD 0603 (1608 Metric)" 42.6,74.1 r270 bottom value=27K
R59 "RES SMD 0603" "SMD 0603 (1608 Metric)" 37.867,77.847 r0 bottom value=20K
R60 "RES SMD 0603" "SMD 0603 (1608 Metric)" 190.8,70.351 r180 bottom value=499K
R61 "RES SMD 0603" "SMD 0603 (1608 Metric)" 178.928,70.376 r180 bottom value=1M
R62 "RES SMD 0603" "SMD 0603 (1608 Metric)" 183.476,34.75 r90 bottom value=1M
R63 "RES SMD 0603" "SMD 0603 (1608 Metric)" 179.648,74.05 r270 bottom value=412K
R64 "RES SMD 0603" "SMD 0603 (1608 Metric)" 187.947,72.048 r270 bottom value=60.4K
R65 "RES SMD 0603" "SMD 0603 (1608 Metric)" 188.176,33.5 r180 bottom value=115K
R66 "RES SMD 0603" "SMD 0603 (1608 Metric)" 191.326,33.695 r90 bottom value=100K
R67 "RES SMD 0603" "SMD 0603 (1608 Metric)" 161.885,78.503 r90 bottom value=1M
R68 "RES SMD 0603" "SMD 0603 (1608 Metric)" 189.213,54.289 r90 bottom value=10K
R69 "RES SMD 0603" "SMD 0603 (1608 Metric)" 158.174,78.518 r90 bottom value=182K
R70 "RES SMD 0603" "SMD 0603 (1608 Metric)" 170.3,78.478 r180 bottom value=100K
R71 "RES SMD 0603" "SMD 0603 (1608 Metric)" 185.34,49.175 r0 bottom value=19.1K
R72 "RES SMD 0402" "SMD 0402 (1005 Metric)" 143.425,98.801 r270 bottom value=1M
R73 "RES SMD 0402" "SMD 0402 (1005 Metric)" 133.801,97.151 r180 bottom value=40.2K
R74 "RES SMD 0402" "SMD 0402 (1005 Metric)" 144.1,95.149 r180 bottom value=10K
R75 "RES SMD 0402" "SMD 0402 (1005 Metric)" 131.275,95.249 r0 bottom value=35.7K
R76 "RES SMD 0402" "SMD 0402 (1005 Metric)" 142.475,96.875 r270 bottom value=60.4K
R77 "RES SMD 0402" "SMD 0402 (1005 Metric)" 139.3,92 r180 bottom value=30.1K
R78 "RES SMD 0603" "SMD 0603 (1608 Metric)" 144.5,92.7 r90 bottom value=10K
R79 "RES SMD 0603" "SMD 0603 (1608 Metric)" 84.426,35.5 r90 bottom value=1K
R80 "RES SMD 0603" "SMD 0603 (1608 Metric)" 76.424,34.05 r270 bottom value=13.3K
R81 "RES SMD 0603" "SMD 0603 (1608 Metric)" 63.375,37.05 r270 bottom value=154K
R82 "RES SMD 0603" "SMD 0603 (1608 Metric)" 80.801,62.075 r270 top value=13.7K
R83 "RES SMD 0603" "SMD 0603 (1608 Metric)" 85.15,33.275 r180 bottom value=13.3K
R84 "RES SMD 0603" "SMD 0603 (1608 Metric)" 64.876,36.5 r90 bottom value=4.99K
R85 "RES SMD 0603" "SMD 0603 (1608 Metric)" 76.701,30.5 r90 bottom value=1K
R86 "RES SMD 0603" "SMD 0603 (1608 Metric)" 68.226,33.025 r90 bottom value=10K
R87 "RES SMD 0603" "SMD 0603 (1608 Metric)" 79.05,61.975 r90 top value=10K
R88 "RES SMD 0603" "SMD 0603 (1608 Metric)" 61.439,36.575 r270 bottom value=4.99K
R89 "RES SMD 0603" "SMD 0603 (1608 Metric)" 70.9,33.549 r0 bottom value=4.99K
R90 "RES SMD 0603" "SMD 0603 (1608 Metric)" 85.649,30.94 r270 bottom value=12.4K
R91 "RES SMD 0603" "SMD 0603 (1608 Metric)" 83.775,30.45 r270 bottom value=1K
R92 "RES SMD 0603" "SMD 0603 (1608 Metric)" 84.924,58.33 r270 bottom value=4.99K
R93 "RES SMD 0603" "SMD 0603 (1608 Metric)" 62.551,28.701 r180 bottom value=45K
R94 "RES SMD 0603" "SMD 0603 (1608 Metric)" 87.775,60.225 r270 bottom value=3.48K